# KiCad board keys.kicad_pcb (continued)
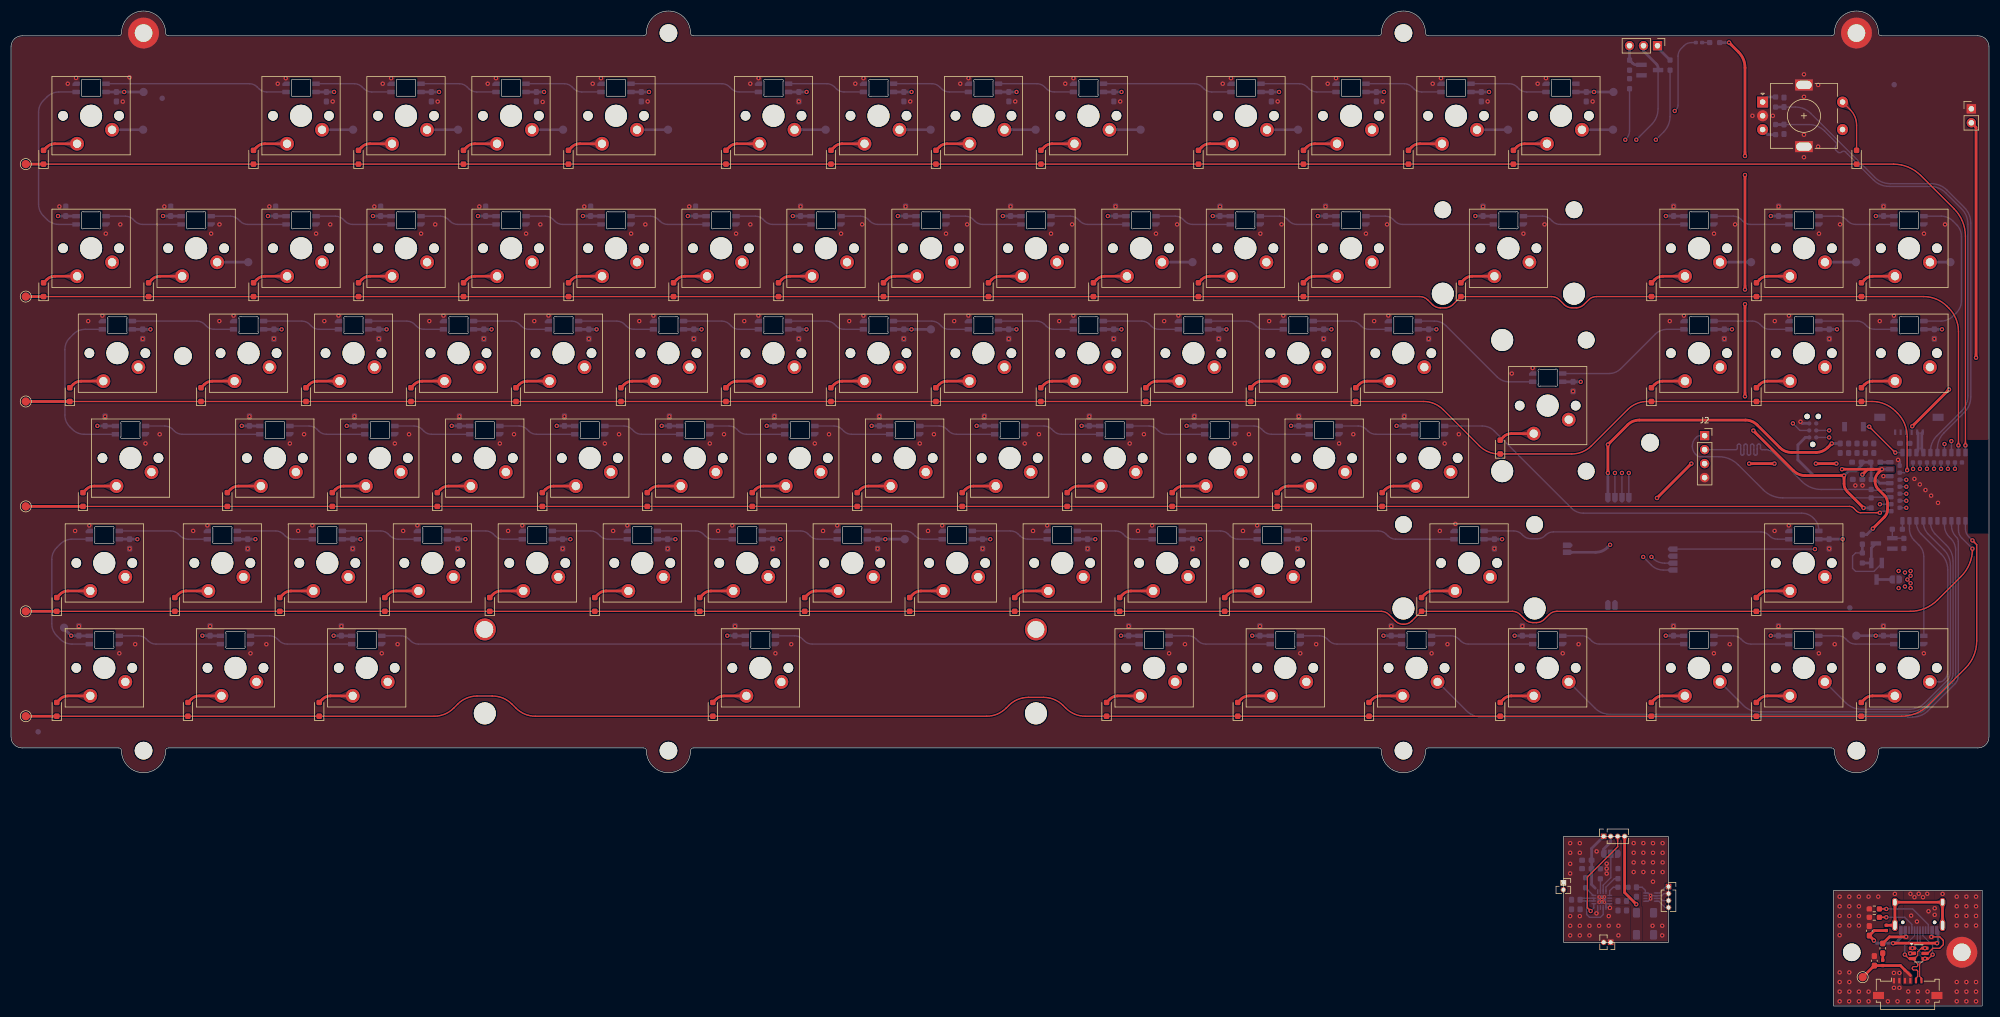
[diagram p0: board, top side]
## Nets (continued)
Net-(D71-A): D71.2 SW70.2
Net-(D72-A): D72.2 SW71.2
Net-(D73-A): D73.2 SW72.2
Net-(D74-A): D74.2 SW73.2
Net-(D75-A): D75.2 SW74.2
Net-(D76-A): D76.2 SW75.2
Net-(D77-A): D77.2 SW76.2
Net-(D78-A): D78.2 SW77.2
Net-(D79-A): D79.2 SW78.2
Net-(D80-A): D80.2 SW79.2
Net-(D81-A): D81.2 SW80.2
Net-(D82-A): D82.2 SW81.2
Net-(D83-A): D83.2 SW82.2
Net-(D84-A): D84.2 SW83.2
Net-(D85-A): D85.2 SW84.2
Net-(D86-A): D86.2 SW85.2
Net-(D87-A): D87.2 R20.1
Net-(D88-A): D88.2 SW86.S2
Net-(F1-Pad2): F1.2 L1.1
Net-(J1-CC1): J1.A5 R1.1
Net-(J1-CC2): J1.B5 R2.1
Net-(J1-SHIELD): J1.S1 L2.1
Net-(JP2-C): JP2.2 U3.15
Net-(LED1-DIN): LED1.3 LED2.2
Net-(LED2-DIN): LED2.3 LED3.2
Net-(LED3-DIN): LED3.3 LED4.2
Net-(LED4-DIN): LED4.3 LED5.2
Net-(LED5-DIN): LED5.3 LED6.2
Net-(LED6-DIN): LED6.3 LED7.2
Net-(LED7-DIN): LED7.3 LED8.2
Net-(LED8-DIN): LED8.3 LED9.2
Net-(LED10-DIN): LED10.3 LED11.2
Net-(LED10-DOUT): LED9.3 LED10.2
Net-(LED11-DIN): LED11.3 LED12.2
Net-(LED12-DIN): LED12.3 LED13.2
Net-(LED14-DIN): LED14.3 LED15.2
Net-(LED15-DIN): LED15.3 LED16.2
Net-(LED16-DIN): LED16.3 LED17.2
Net-(LED17-DIN): LED17.3 LED18.2
Net-(LED18-DIN): LED18.3 LED19.2
Net-(LED19-DIN): LED19.3 LED20.2
Net-(LED20-DIN): LED20.3 LED21.2
Net-(LED21-DIN): LED21.3 LED22.2
Net-(LED22-DIN): LED22.3 LED23.2
Net-(LED23-DIN): LED23.3 LED24.2
Net-(LED24-DIN): LED24.3 LED25.2
Net-(LED25-DIN): LED25.3 LED26.2
Net-(LED26-DIN): LED26.3 LED27.2
Net-(LED27-DIN): LED27.3 LED28.2
Net-(LED28-DIN): LED28.3 LED29.2
Net-(LED29-DIN): LED29.3 LED30.2
Net-(LED31-DIN): LED31.3 LED32.2
Net-(LED32-DIN): LED32.3 LED33.2
Net-(LED33-DIN): LED33.3 LED34.2
Net-(LED34-DIN): LED34.3 LED35.2
Net-(LED35-DIN): LED35.3 LED36.2
Net-(LED36-DIN): LED36.3 LED37.2
Net-(LED37-DIN): LED37.3 LED38.2
Net-(LED38-DIN): LED38.3 LED39.2
Net-(LED39-DIN): LED39.3 LED40.2
Net-(LED40-DIN): LED40.3 LED41.2
Net-(LED41-DIN): LED41.3 LED42.2
Net-(LED42-DIN): LED42.3 LED43.2
Net-(LED43-DIN): LED43.3 LED44.2
Net-(LED44-DIN): LED44.3 LED45.2
Net-(LED45-DIN): LED45.3 LED46.2
Net-(LED46-DIN): LED46.3 LED47.2
Net-(LED48-DIN): LED48.3 LED49.2
Net-(LED49-DIN): LED49.3 LED50.2
Net-(LED50-DIN): LED50.3 LED51.2
Net-(LED51-DIN): LED51.3 LED52.2
Net-(LED52-DIN): LED52.3 LED53.2
Net-(LED53-DIN): LED53.3 LED54.2
Net-(LED54-DIN): LED54.3 LED55.2
Net-(LED55-DIN): LED55.3 LED56.2
Net-(LED56-DIN): LED56.3 LED57.2
Net-(LED57-DIN): LED57.3 LED58.2
Net-(LED58-DIN): LED58.3 LED59.2
Net-(LED59-DIN): LED59.3 LED60.2
Net-(LED61-DIN): LED61.3 LED62.2
Net-(LED62-DIN): LED62.3 LED63.2
Net-(LED63-DIN): LED63.3 LED64.2
Net-(LED64-DIN): LED64.3 LED65.2
Net-(LED65-DIN): LED65.3 LED66.2
Net-(LED66-DIN): LED66.3 LED67.2
Net-(LED67-DIN): LED67.3 LED68.2
Net-(LED68-DIN): LED68.3 LED69.2
Net-(LED69-DIN): LED69.3 LED70.2
Net-(LED70-DIN): LED70.3 LED71.2
Net-(LED71-DIN): LED71.3 LED72.2
Net-(LED72-DIN): LED72.3 LED73.2
Net-(LED73-DIN): LED73.3 LED74.2
Net-(LED75-DIN): LED75.3 LED76.2
Net-(LED76-DIN): LED76.3 LED77.2
Net-(LED77-DIN): LED77.3 LED78.2
Net-(LED78-DIN): LED78.3 LED79.2
Net-(LED79-DIN): LED79.3 LED80.2
Net-(LED80-DIN): LED80.3 LED81.2
Net-(LED81-DIN): LED81.3 LED82.2
Net-(LED82-DIN): LED82.3 LED83.2
Net-(LED83-DIN): LED83.3 LED84.2
Net-(LED84-DIN): LED84.3 LED85.2
Net-(Q1-G): Q1.1 Q2.3 R11.2
Net-(Q1-S): F2.2 Q1.2 R11.1
Net-(Q2-G): Q2.1 R12.1 R13.2
Net-(Q3-G): Q3.1 R18.2 R19.1
Net-(Q3-S): Q3.2 R19.2 SW87.3
Net-(R14-Pad1): R14.1 SW86.A
Net-(R17-Pad1): R17.1 SW86.B
Net-(SW87A-A): R16.2 SW87.1
Net-(U3-ISET): R9.1 U3.16
Net-(U3-TS): R6.1 U3.1

Pads without a net: J1 A8 B8; J3 6; LED1 2; U3 7

## Via types
v1: diameter 0.8, hole 0.4, Top to Bottom, 561 vias
v2: diameter 0.6, hole 0.3, Top to Bottom, 7 vias

## Routing (per net, layer and track width the routed paths; a pad name or vN(x,y) marks a point on that pad's centre or on a via; arc(x,y) is an arc through that point)
+5V: length 203.5
  Top w0.5: v1(330.4,102.13) 329.65,101.39 arc(328.68,100.74) 327.53,100.51 323.09,100.51 arc(321.94,100.74) 320.97,101.39 316.85,105.51 arc(315.88,106.16) 314.73,106.38 295.47,106.38 arc(294.32,106.16) 293.35,105.51 v1(289.78,101.94) v1(289.78,96.78) ; v1(345,105.26) v1(351.68,111.94) ; J4.2 356.57,159.52 v1(356.57,117.71) ; TP1.1 338.11,7.34 C104.1 342.86,7.34 344.68,5.53
  In2.Cu w0.25: v1(292.93,157.28) 291.24,155.6 arc(290.16,153.98) 289.78,152.06 v1(289.78,101.94)
  In2.Cu w0.5: v1(356.57,117.71) 356.57,117.66 arc(356.42,116.9) 355.99,116.25 v1(351.68,111.94)
  Bottom w0.25: v1(292.93,157.28) 293.11,157.47 arc(293.55,158.12) 293.7,158.89 R18.1
  Bottom w0.5: 289.01,30.79 286.81,28.59 C90.1 C89.1 286.81,22.06 287.48,21.39 ; 289,30.78 289,30.79 ; C1.2 v1(330.4,102.13) ; v1(289.78,96.78) 289.78,92.06
GND: length 17.4
  Top w0.5: U5.2 v1(344.62,9.55)
  Bottom w0.25: v1(287.7,16.81) 287.92,17.03 U3.8 ; v2(297.52,19.46) 297.08,19.02 U2.1 ; C93.2 296,21.56 296.56,21 U2.4 297.09,20.52 v2(297.52,20.09) 297.59,20.02 U2.6 299.56,20.02 299.95,20.42 J7.2 ; 290.07,17.88 v1(290.15,17.81) 290.1,17.86 U3.4 289.41,18.57 v2(289.12,18.86) 289.42,18.57 U3.5 290.07,17.88
  Bottom w0.5: J3.5 325.04,105.77 v1(324.73,106.08) ; v1(339.78,96.21) 339.79,96.19 U6.21 ; v1(342.43,99.16) 342.73,98.86 U6.24
  vias: v1(8.77,145.16) v1(10.3,167.46) v1(11.62,86.26) v1(11.8,168.51) v1(12.32,68.96) v1(14,124.36) v1(14.2,87.26) v1(16.57,125.36) v1(17.07,107.06) v1(17.2,140.24) v1(19.65,64.03) v1(19.82,141.91) v1(20.27,164.21) v1(21.5,168.61) v1(21.52,83.03) v1(22.52,65.69) v1(23.9,121.13) v1(24.4,102.13) v1(26.97,103.81) v1(27.82,145.16) v1(33.05,86.26) v1(35.62,87.26) v1(36.12,68.96) v1(36.31,140.24) v1(37.83,141.91) v1(37.8,124.36) v1(40.38,125.36) v1(42.95,83.03) v1(43.27,107.06) v1(43.45,64.03) v1(46.33,65.69) v1(46.88,145.16) v1(47.7,121.13) v1(48.4,167.46) v1(49.85,168.46) v1(50.6,102.13) v1(52.1,86.26) v1(53.17,103.81) v1(54.67,87.26) v1(55.36,140.24) v1(56.85,124.36) v1(57.92,141.91) v1(58.38,164.24) v1(59.42,125.36) v1(59.94,68.96) v1(62,83.03) v1(62.32,107.06) v1(65.92,145.16) v1(66.75,121.13) v1(67.27,64.03) v1(67.45,167.46) v1(68.97,168.46) v1(69.65,102.13) v1(70.15,65.69) v1(71.16,86.26) v1(72.22,103.81) v1(73.73,87.26) v1(74.41,140.24) v1(75.9,124.36) v1(76.97,141.91) v1(77.42,164.21) v1(78.47,125.36) v1(81.05,83.03) v1(81.37,107.06) v1(84.97,145.16) v1(85.8,121.13) v1(86.5,167.46) v1(88,168.46) v1(88.7,102.13) v1(90.2,86.26) v1(91.27,103.81) v1(92.77,87.26) v1(93.46,140.24) v1(94.95,124.36) v1(96.05,141.91) v1(96.48,164.16) v1(97.53,125.36) v1(100.1,83.03) v1(100.42,107.06) v1(104.02,145.16) v1(104.86,121.13) v1(105.55,167.46) v1(107.05,168.46) v1(107.76,102.13) v1(109.26,86.26) v1(110.33,103.81) v1(111.83,87.26) v1(112.52,140.24) v1(114,124.36) v1(115.1,141.91) v1(115.52,164.24) v1(116.58,125.36) v1(119.15,83.03) v1(119.47,107.06) v1(123.08,145.16) v1(123.9,121.13) v1(126.8,102.13) v1(128.31,86.26) v1(129.38,103.81) v1(130.88,87.26) v1(131.38,68.96) v1(131.57,140.24) v1(133.05,124.36) v1(134.15,167.47) v1(134.15,141.91) v1(135.64,168.46) v1(135.62,125.36) v1(138.2,83.03) v1(138.52,107.06) v1(138.7,64.03) v1(141.58,65.69) v1(142.95,164.24) v1(142.95,121.13) v1(143.27,145.16) v1(145.85,102.13) v1(147.35,86.26) v1(148.43,103.81) v1(149.93,87.26) v1(150.62,140.24) v1(152.1,124.36) v1(153.2,167.47) v1(154.45,141.91) v1(154.69,168.46) v1(154.68,125.36) v1(157.25,83.03) v1(157.57,107.06) v1(162,121.13) v1(162.32,145.16) v1(163.18,164.24) v1(164.9,102.13) v1(166.4,86.26) v1(167.48,103.81) v1(168.98,87.26) v1(169.67,140.24) v1(171.15,124.36) v1(172.25,167.47) v1(173.5,141.91) v1(173.74,168.46) v1(173.73,125.36) v1(176.3,83.03) v1(176.62,107.06) v1(181.05,121.13) v1(181.38,145.16) v1(182.23,164.24) v1(183.95,102.13) v1(185.45,86.26) v1(186.52,103.81) v1(188.02,87.26) v1(188.71,140.24) v1(190.2,124.36) v1(191.3,167.47) v1(192.55,141.91) v1(192.77,125.36) v1(192.79,168.46) v1(195.36,83.03) v1(195.67,107.06) v1(200.1,121.13) v1(200.43,145.16) v1(201.27,164.24) v1(202.82,68.96) v1(203,102.13) v1(204.5,86.26) v1(205.57,103.81) v1(207.07,87.26) v1(207.76,140.24) v1(209.25,124.36) v1(210.15,64.03) v1(211.6,141.91) v1(211.83,125.36) v1(213.02,65.69) v1(214.4,83.03) v1(214.73,107.06) v1(219.15,121.13) v1(219.38,145.16) v1(219.88,167.46) v1(221.38,168.46) v1(222.06,102.13) v1(223.56,86.26) v1(224.63,103.81) v1(226.13,87.26) v1(226.62,68.96) v1(226.71,140.24) v1(228.3,124.36) v1(229.85,164.24) v1(230.55,141.91) v1(230.88,125.36) v1(233.45,83.03) v1(233.68,107.06) v1(233.95,64.03) v1(236.83,65.69) v1(238.2,121.13) v1(238.54,145.16) v1(238.93,167.46) v1(240.43,168.46) v1(241,102.13) v1(243.57,103.81) v1(245.87,140.24) v1(247.35,124.36) v1(248.9,164.24) v1(249.7,141.91) v1(249.93,125.36) v1(250.45,68.96) v1(252.82,107.06) v1(257.25,121.13) v1(257.78,64.03) v1(257.98,167.46) v1(259.28,86.26) v1(259.48,168.46) v1(260.15,102.13) v1(260.66,65.69) v1(262.1,87.53) v1(262.73,103.81) v1(267.12,145.16) v1(267.95,164.24) v1(269.18,83.03) v1(272.32,114.83) v1(274.25,68.96) v1(274.44,140.24) v1(276.12,115.83) v1(277.03,167.46) v1(278.28,141.91) v1(278.53,168.46) v1(281.57,64.03) v1(282.93,29.57) v1(282.93,27.82) v1(282.93,25.82) v1(282.93,24.07) v1(282.93,16.32) v1(282.93,14.57) v1(282.93,12.82) v1(283.45,111.61) v1(284.45,65.69) v1(284.68,29.57) v1(284.68,27.82) v1(284.68,16.32) v1(284.68,14.57) v1(284.68,12.82) v1(286.43,14.57) v1(286.43,12.82) v1(287,164.24) v1(287.73,28.07) v1(288.18,14.57) v1(289.55,25.84) v1(289.55,24.94) v1(289.55,24.04) v1(289.93,16.32) v1(289.93,14.57) v1(291.68,14.57) v1(291.68,12.82) v1(294.45,29.57) v1(294.45,27.82) v1(294.45,26.07) v1(294.45,24.32) v1(296.2,29.57) v1(296.2,27.82) v1(296.2,26.07) v1(296.2,24.32) v1(297.95,29.57) v1(297.95,27.82) v1(297.95,26.07) v1(297.95,24.32) v1(297.95,22.57) v1(297.88,14.57) v1(299.63,14.57) v1(299.63,12.82) v1(299.7,29.57) v1(299.7,27.82) v1(299.7,26.07) v1(299.7,24.32) v1(301,124.36) v1(301.69,145.16) v1(301.68,68.96) v1(303.57,125.36) v1(309.03,140.24) v1(309,64.03) v1(310.9,121.13) v1(311.88,65.69) v1(312.85,141.91) v1(316,161.63) v1(319.7,161.63) v1(320.05,124.36) v1(320.03,86.26) v1(320.75,145.16) v1(320.73,68.96) v1(322.62,125.36) v1(322.6,87.26) v1(325.35,169.16) v1(325.35,165.08) v1(325.35,158.19) v1(325.35,154.11) v1(327.93,167.24) v1(327.93,156.03) v1(328.07,140.24) v1(328.05,64.03) v1(329.94,121.13) v1(329.93,83.03) v1(330.93,65.68) v1(331.82,19.85) v1(331.82,18.1) v1(331.82,16.35) v1(331.82,14.6) v1(331.82,12.85) v1(331.82,6.1) v1(331.82,4.35) v1(331.82,2.6) v1(331.82,0.85) v1(331.9,141.91) v1(333.57,19.85) v1(333.57,18.1) v1(333.57,16.35) v1(333.57,14.6) v1(333.57,6.1) v1(333.57,4.35) v1(333.57,2.6) v1(333.55,0.85) v1(334.68,94.51) v1(335.32,19.85) v1(335.32,18.1) v1(335.32,16.35) v1(335.32,14.6) v1(335.32,2.6) v1(335.32,0.85) v1(335.98,94.51) v1(337.07,19.85) v1(337.07,2.6) v1(337.07,0.85) v1(338.82,19.85) v1(339.1,124.36) v1(339.77,68.96) v1(339.8,145.16) v1(340.57,0.85) v1(341.68,125.36) v1(341.68,6) v1(341.68,3.3) v1(341.85,20.35) v1(342.32,0.85) v1(342.68,6) v1(342.68,3.3) v1(344.28,2.62) v1(344.28,0.85) v1(344.68,20.38) v1(344.8,16.4) v1(345.4,95.71) v1(345.4,19.75) v1(345.85,15.32) v1(346.03,2.62) v1(346.03,0.85) v1(346.18,20.38) v1(346.38,94.71) v1(346.95,19.75) v1(347.12,140.24) v1(347.1,64.03) v1(347.4,93.69) v1(347.73,20.38) v1(347.78,2.62) v1(347.78,0.85) v1(347.95,17.2) v1(348.43,92.66) v1(349,121.13) v1(349.07,17.75) v1(349.07,16.55) v1(349.68,91.36) v1(350.5,20.35) v1(350.95,141.91) v1(353.07,19.85) v1(353.07,18.1) v1(353.07,16.35) v1(353.05,14.6) v1(353.07,4.35) v1(353.07,2.6) v1(353.07,0.85) v1(354.82,19.85) v1(354.82,18.1) v1(354.82,16.35) v1(354.82,14.6) v1(354.82,4.35) v1(354.82,2.6) v1(354.82,0.85) v1(356.57,19.85) v1(356.57,18.1) v1(356.57,16.35) v1(356.57,14.6) v1(356.57,4.35) v1(356.57,2.6) v1(356.57,0.85) v2(288.2,19.79) v2(288.2,18.86) v2(288.67,19.31) v2(289.12,19.79)
VBUS: length 14.9
  Top w0.25: v1(348.45,12.55) 350,12.55 350.64,11.91 350.64,11.13 349.99,10.48 348.74,10.48 347.81,9.55 U5.5 347.73,9.55
  Top w0.5: F1.1 340.85,12.55 v1(343.9,12.55)
  Bottom w0.5: v1(343.9,12.55) 343.73,12.72 J1.A4 ; J1.A9 348.62,12.72 v1(348.45,12.55)
VDD: length 129.8
  Top w0.5: v1(336.18,90.44) 333.21,93.4 arc(332.78,94.05) 332.62,94.81 v1(332.62,96.31) 325.57,96.31 arc(324.42,96.54) 323.45,97.19 316.18,104.46 v1(316.18,104.48) ; v1(314.65,130.08) v1(314.65,150.88) ; v1(311.75,174.94) 313.48,173.21 arc(314.35,171.91) 314.65,170.38 v1(314.65,154.33) ; v1(314.65,110.69) v1(314.65,127.44)
  In2.Cu w0.5: v1(314.65,127.44) v1(314.65,130.08) ; v1(314.65,150.88) v1(314.65,154.33) ; v1(316.18,104.48) 315.82,104.84 arc(314.95,106.14) 314.65,107.67 v1(314.65,110.69)
  Bottom w0.5: J3.1 325.6,103.23 324.25,101.88 324.25,99.16 327.1,96.31 v1(332.62,96.31) 333.48,97.16 334.78,97.16 335.81,98.2 C96.1 L3.2 337.55,98.63 R5.1 338.43,95.61 339.11,94.92 U6.19 ; v1(311.75,174.94) R20.2 ; R4.1 v1(336.18,90.44)
+BATT: length 93.7
  Top w0.5: v1(294.93,18.47) 292.81,20.58 J11.4
  In2.Cu w0.25: v1(293.57,96.78) 293.57,150.31 arc(293.96,152.23) 295.04,153.85 v1(298.48,157.28)
  Bottom w0.25: 291.59,19.07 C94.1 ; v1(298.48,157.28) 299.88,158.69 arc(300.75,159.99) 301.05,161.52 R16.1 ; J10.4 v1(293.57,96.78)
  Bottom w0.5: C94.1 291.51,19.15
+VSW: length 97.1
  Top w0.5: v1(320,98.48) v1(315.4,98.48) ; 338,97.46 v1(332.25,97.46) ; 338,97.46 336.93,97.46 v1(335.95,96.48) ; 338,97.46 v1(339.5,97.46) 338.84,96.8 arc(338.4,96.15) 338.25,95.38 338.25,95.24 arc(338.4,94.47) 338.84,93.82 339.94,92.72 arc(340.37,92.07) 340.53,91.31 340.53,90.19 arc(340.37,89.42) 339.94,88.77 v1(337.85,86.69) ; v1(331.23,98.48) v1(327.5,98.48) ; v1(298.68,92.23) v1(304.92,98.48)
  In1.Cu w0.5: v1(290.18,83.73) v1(298.68,92.23) ; v1(315.4,98.48) J2.3 v1(304.92,98.48) ; v1(320,98.48) v1(327.5,98.48) ; v1(339.5,97.46) 339.73,97.46 ; v1(331.23,98.48) v1(332.25,97.46)
  Bottom w0.25: U3.6 288.92,16.6 288.4,16.09 286.45,16.09 285.92,16.61 285.92,18.99 ; 285.01,19.57 C92.1 284.94,19.07 U3.10 U3.11 285.01,19.57
  Bottom w0.5: v1(290.18,83.73) 289.7,83.26 arc(288.73,82.61) 287.58,82.38 J12.2 ; v1(337.85,86.69) 336.75,85.58 F2.1 ; U6.23 339.5,97.47 v1(339.5,97.46) ; C98.1 335.95,95.62 v1(335.95,96.48)
/ILIM: length 2.1
  Bottom w0.25: R8.1 287.12,20.07 U3.12
/TMR: length 2.3
  Bottom w0.25: R7.1 288.42,23.08 U3.14
ALERT: length 45.2
  In1.Cu w0.25: v1(327.35,82.96) 332.28,87.89 arc(333.58,88.76) 335.11,89.06 335.42,89.06 arc(336.95,89.36) 338.25,90.23 v1(339.12,91.11)
  Bottom w0.25: U6.13 339.13,91.11 v1(339.12,91.11) ; U2.5 299.18,20.52 300.35,21.69 J7.1 ; v1(327.35,82.96) J14.1
COL0: length 496.2
  In2.Cu w0.25: v1(352.75,97.53) 352.94,97.35 arc(354.02,95.73) 354.4,93.81 354.4,67.06 arc(354.55,66.3) 354.99,65.65 355.86,64.78 arc(356.22,64.16) 356.35,63.46 356.35,57.46 arc(356.2,56.7) 355.76,56.05 349.36,49.65 arc(348.71,49.21) 347.95,49.06 194.56,49.06 arc(194.18,48.98) 193.86,48.77 193.69,48.6 arc(193.37,48.39) 192.99,48.31 124.75,48.31 arc(123.99,48.46) 123.34,48.9 122.96,49.27 arc(122.31,49.71) 121.55,49.86 31.79,49.86 arc(29.88,50.24) 28.26,51.32 SW75.1 SW61.1 20.73,90.12 arc(21.12,92.04) 22.2,93.66 SW48.1 25.48,112.38 arc(25.26,113.53) 24.61,114.5 SW31.1 23.11,128.2 arc(22.73,130.12) 21.65,131.74 SW14.1 18.33,135.05 SW1.1
  Bottom w0.25: v1(352.75,97.53) U6.40
  Bottom w0.5: TP2.1 18.35,159.11 SW1.1
COL1: length 453.4
  In2.Cu w0.25: SW15.1 45.45,126.99 arc(46.53,125.37) 46.91,123.46 SW32.1 50.22,112.69 arc(51.3,111.07) 51.69,109.15 SW49.1 43.62,88.88 arc(42.54,87.26) 42.16,85.35 SW62.1 43.37,76.69 arc(44.24,75.39) 44.54,73.86 SW76.1 51.59,51.8 arc(53.21,50.72) 55.12,50.34 121.75,50.34 arc(122.51,50.18) 123.16,49.75 123.54,49.37 arc(124.19,48.94) 124.95,48.78 192.79,48.78 arc(193.17,48.86) 193.49,49.08 193.66,49.24 arc(193.98,49.46) 194.36,49.53 347.75,49.53 arc(348.51,49.69) 349.16,50.12 355.29,56.25 arc(355.72,56.9) 355.88,57.66 355.88,63.26 arc(355.75,63.96) 355.38,64.58 354.51,65.45 arc(354.08,66.1) 353.93,66.86 353.93,93.01 arc(353.54,94.93) 352.46,96.55 v1(351.48,97.53)
  Bottom w0.25: U6.38 351.48,98.68 v1(351.48,97.53)
  Bottom w0.5: SW15.1 37.41,135.06 TP3.1
COL2: length 454.9
  In2.Cu w0.25: v1(350.23,97.53) 351.99,95.77 arc(353.07,94.15) 353.45,92.24 353.45,66.66 arc(353.6,65.9) 354.04,65.25 354.81,64.47 arc(355.25,63.82) 355.4,63.06 355.4,57.86 arc(355.25,57.1) 354.81,56.45 348.96,50.6 arc(348.31,50.16) 347.55,50.01 194.16,50.01 arc(193.78,49.93) 193.46,49.72 193.29,49.55 arc(192.97,49.34) 192.59,49.26 125.15,49.26 arc(124.39,49.41) 123.74,49.85 116.2,57.38 arc(114.58,58.46) 112.67,58.84 SW77.1 68.36,68.67 arc(67.98,70.59) 66.9,72.21 SW63.1 61.21,85.35 arc(61.59,87.26) 62.67,88.88 SW50.1 70.73,109.15 arc(70.35,111.06) 69.27,112.68 SW33.1 65.96,123.46 arc(65.58,125.37) 64.5,126.99 SW16.1 56.44,135.06 SW2.1
  Bottom w0.25: v1(350.23,97.53) 350.23,98.67 U6.36
  Bottom w0.5: SW2.1 56.45,159.11 TP4.1
COL3: length 433.2
  In2.Cu w0.25: v1(348.95,97.53) 351.51,94.97 arc(352.59,93.35) 352.98,91.44 352.98,66.46 arc(353.13,65.7) 353.56,65.05 354.34,64.27 arc(354.77,63.62) 354.93,62.86 354.93,58.06 arc(354.77,57.3) 354.34,56.65 348.76,51.07 arc(348.11,50.64) 347.35,50.48 193.96,50.48 arc(193.58,50.41) 193.26,50.19 193.09,50.03 arc(192.77,49.81) 192.39,49.73 125.35,49.73 arc(124.59,49.89) 123.94,50.32 116.19,58.07 arc(114.57,59.15) 112.65,59.53 91.92,59.53 arc(90.01,59.92) 88.39,61 81.73,67.66 arc(80.65,69.28) 80.27,71.19 SW64.1 80.27,85.35 arc(80.65,87.27) 81.73,88.89 SW51.1 89.78,109.15 arc(89.4,111.06) 88.32,112.68 85.01,115.99 85.01,123.46 arc(84.63,125.37) 83.55,126.99 SW17.1 75.48,135.06 SW3.1
  Bottom w0.25: v1(348.95,97.53) 348.95,98.67 U6.34
  Bottom w0.5: TP5.1 75.5,159.11 SW3.1
COL4: length 410.1
  In2.Cu w0.25: v1(347.68,97.53) 351.04,94.17 arc(352.12,92.55) 352.5,90.64 352.5,66.26 arc(352.65,65.5) 353.09,64.85 353.86,64.07 arc(354.3,63.42) 354.45,62.66 354.45,58.26 arc(354.3,57.5) 353.86,56.85 348.56,51.55 arc(347.91,51.11) 347.15,50.96 193.76,50.96 arc(193.38,50.88) 193.06,50.67 192.89,50.5 arc(192.57,50.29) 192.19,50.21 125.58,50.21 arc(124.81,50.36) 124.16,50.8 100.77,74.19 arc(99.69,75.81) 99.31,77.72 SW65.1 99.31,85.34 arc(99.69,87.26) 100.77,88.88 SW52.1 108.84,109.15 arc(108.46,111.06) 107.38,112.68 SW35.1 104.06,123.46 arc(103.68,125.37) 102.6,126.99 SW18.1 94.54,135.06 SW4.1
  Bottom w0.25: U6.32 347.68,98.68 v1(347.68,97.53)
  Bottom w0.5: TP6.1 94.55,159.11 SW4.1
COL5: length 395.8
  In2.Cu w0.25: v1(346.4,97.53) 350.56,93.37 arc(351.64,91.75) 352.03,89.84 352.03,66.06 arc(352.18,65.3) 352.61,64.65 353.39,63.87 arc(353.82,63.22) 353.98,62.46 353.98,58.46 arc(353.82,57.7) 353.39,57.05 348.36,52.02 arc(347.71,51.59) 346.95,51.44 194.42,51.44 arc(193.27,51.66) 192.3,52.31 189.38,55.23 arc(188.41,55.88) 187.26,56.11 184.09,56.11 arc(182.94,55.88) 181.97,55.23 181.7,54.96 arc(180.73,54.31) 179.58,54.09 133.65,54.09 arc(131.73,54.47) 130.11,55.55 119.83,65.83 arc(118.75,67.45) 118.36,69.37 SW66.1 118.36,85.35 arc(118.75,87.27) 119.83,88.89 SW53.1 127.89,109.15 arc(127.5,111.07) 126.42,112.69 SW36.1 123.11,123.46 arc(122.73,125.38) 121.65,127 SW19.1 113.58,135.06 SW5.1
  Bottom w0.25: v1(346.4,97.53) 346.4,98.69
  Bottom w0.5: TP7.1 113.6,159.11 SW5.1
COL6: length 382
  In2.Cu w0.25: SW6.1 135.58,152.51 arc(133.42,149.26) 132.65,145.44 SW20.1 140.7,127 arc(141.78,125.38) 142.16,123.47 SW37.1 145.48,112.68 arc(146.56,111.06) 146.94,109.14 SW54.1 138.88,88.88 arc(137.8,87.26) 137.42,85.35 SW67.1 138.62,76.69 arc(139.49,75.39) 139.79,73.86 SW78.1 185.2,58.84 arc(186.35,58.62) 187.32,57.97 192.5,52.79 arc(193.47,52.14) 194.62,51.91 346.75,51.91 arc(347.51,52.06) 348.16,52.5 352.91,57.25 arc(353.35,57.9) 353.5,58.66 353.5,62.26 arc(353.35,63.02) 352.91,63.67 352.14,64.45 arc(351.7,65.1) 351.55,65.86 351.55,89.04 arc(351.17,90.95) 350.09,92.57 v1(345.15,97.51)
  Bottom w0.25: v1(345.15,97.51) 345.15,98.66 U6.28
  Bottom w0.5: TP8.1 142.19,159.11 SW6.1
COL7: length 351.9
  In2.Cu w0.25: v1(343.93,95.53) 349.61,89.85 arc(350.69,88.23) 351.07,86.31 351.07,65.66 arc(351.23,64.9) 351.66,64.25 352.44,63.47 arc(352.87,62.82) 353.03,62.06 353.03,58.86 arc(352.87,58.1) 352.44,57.45 347.96,52.97 arc(347.31,52.54) 346.55,52.38 196.17,52.38 arc(195.02,52.61) 194.05,53.26 188.2,59.11 arc(187.23,59.76) 186.08,59.98 173.75,59.98 arc(171.83,60.37) 170.21,61.45 157.92,73.74 arc(156.84,75.36) 156.46,77.27 SW68.1 156.46,85.35 arc(156.84,87.26) 157.92,88.88 SW55.1 165.99,109.15 arc(165.6,111.07) 164.52,112.69 SW38.1 161.21,123.46 arc(160.83,125.37) 159.75,126.99 SW21.1 151.7,145.43 arc(152.46,149.26) 154.63,152.5 SW7.1
  Bottom w0.25: U6.20 342.75,95.53 v1(343.93,95.53)
  Bottom w0.5: TP9.1 161.24,159.11 SW7.1
COL8: length 332.2
  In2.Cu w0.25: v1(343.93,94.28) 349.14,89.07 arc(350.22,87.45) 350.6,85.54 350.6,65.46 arc(350.75,64.7) 351.19,64.05 351.96,63.27 arc(352.4,62.62) 352.55,61.86 352.55,59.06 arc(352.4,58.3) 351.96,57.65 347.76,53.45 arc(347.11,53.01) 346.35,52.86 196.54,52.86 arc(195.39,53.09) 194.42,53.74 176.97,71.19 arc(175.89,72.81) 175.51,74.72 SW69.1 175.51,85.35 arc(175.89,87.26) 176.97,88.88 SW56.1 185.04,109.15 arc(184.65,111.06) 183.57,112.68 SW39.1 180.26,123.46 arc(179.88,125.38) 178.8,127 SW22.1 170.75,145.43 arc(171.51,149.26) 173.68,152.5 SW8.1
  Bottom w0.25: v1(343.93,94.28) U6.18
  Bottom w0.5: SW8.1 180.29,159.11 TP10.1
COL9: length 317.1
  In2.Cu w0.25: SW9.1 192.73,152.5 arc(190.56,149.26) 189.8,145.43 SW23.1 197.85,127 arc(198.93,125.38) 199.31,123.46 SW40.1 202.62,112.68 arc(203.7,111.06) 204.08,109.15 SW57.1 196.03,88.89 arc(194.95,87.27) 194.56,85.35 SW70.1 194.56,63.59 arc(194.95,61.68) 196.03,60.06 201.29,54.8 arc(202.91,53.72) 204.82,53.34 346.15,53.34 arc(346.91,53.49) 347.56,53.92 351.49,57.85 arc(351.92,58.5) 352.07,59.26 352.07,61.66 arc(351.92,62.42) 351.49,63.07 350.71,63.85 arc(350.28,64.5) 350.12,65.26 350.12,84.74 arc(349.74,86.65) 348.66,88.27 v1(343.93,93.01)
  Bottom w0.25: U6.16 342.73,93.01 v1(343.93,93.01)
  Bottom w0.5: SW9.1 199.33,159.11 TP11.1
COL10: length 272.9
  In2.Cu w0.25: SW24.1 216.9,126.99 arc(217.98,125.37) 218.37,123.46 SW41.1 221.68,112.68 arc(222.76,111.06) 223.14,109.15 SW58.1 215.07,88.88 arc(213.99,87.26) 213.61,85.34 SW71.1 212.41,76.69 arc(211.54,75.39) 211.24,73.86 SW79.1 214.81,55.27 arc(216.43,54.19) 218.34,53.81 345.95,53.81 arc(346.71,53.96) 347.36,54.4 351.01,58.05 arc(351.45,58.7) 351.6,59.46 351.6,61.46 arc(351.45,62.22) 351.01,62.87 350.24,63.65 arc(349.8,64.3) 349.65,65.06 349.65,83.94 arc(349.27,85.85) 348.19,87.47 v1(343.93,91.73)
  Bottom w0.25: v1(343.93,91.73) 342.74,91.73 U6.14
  Bottom w0.5: SW24.1 208.87,135.06 TP12.1
COL11: length 270.8
  In2.Cu w0.25: v1(343.93,90.46) 347.71,86.67 arc(348.79,85.05) 349.18,83.14 349.18,64.86 arc(349.33,64.1) 349.76,63.45 350.54,62.67 arc(350.97,62.02) 351.12,61.26 351.12,59.66 arc(350.97,58.9) 350.54,58.25 347.16,54.87 arc(346.51,54.44) 345.75,54.28 241.67,54.28 arc(239.76,54.67) 238.14,55.75 SW80.1 235.04,73.86 arc(234.74,75.39) 233.87,76.69 SW72.1 232.67,85.35 arc(233.05,87.26) 234.13,88.88 242.1,96.85 242.1,109.23 arc(241.72,111.15) 240.64,112.77 SW42.1 237.41,123.46 arc(237.03,125.38) 235.95,127 227.8,135.14 227.8,158.99 SW10.1
  Bottom w0.25: U6.12 342.74,90.46 v1(343.93,90.46)
  Bottom w0.5: SW10.1 227.93,159.11 TP13.1
COL12: length 259.9
  In2.Cu w0.25: SW81.1 258.87,74.79 arc(259.17,76.32) 260.04,77.62 260.06,77.65 arc(260.93,78.95) 261.24,80.48 SW60.1 261.24,109.15 arc(260.85,111.06) 259.77,112.68 SW43.1 256.46,123.46 arc(256.08,125.38) 255,127 SW26.1 246.95,159.08 SW11.1 SW12.1
  Bottom w0.25: U6.3 352.12,87.26 arc(352.31,86.19) 352.88,85.26 353.06,85.08 arc(353.27,84.76) 353.35,84.37 353.35,59.91 arc(353.2,59.15) 352.76,58.5 347.9,53.63 arc(346.6,52.76) 345.07,52.46 266.91,52.46 arc(265.38,52.76) 264.08,53.63 SW81.1
  Bottom w0.5: SW12.1 266.03,159.11 TP14.1
COL13: length 231.7
  In2.Cu w0.25: SW82.1 282.67,69.65 arc(282.28,71.56) 281.2,73.18 277.95,76.43 arc(276.33,77.51) 274.42,77.89 SW73.1 268.38,84.72 arc(268.92,87.4) 270.44,89.67 280.61,99.84 arc(282.13,102.12) 282.66,104.79 SW44.1 282.66,119.33 arc(282.28,121.24) 281.2,122.86 276.99,127.07 arc(275.91,128.69) 275.53,130.6 SW27.1 275.53,145.42 arc(276.29,149.25) 278.46,152.49 SW13.1
  Bottom w0.25: U6.4 350.85,87.28 arc(351.07,86.13) 351.72,85.16 352,84.89 arc(352.65,83.92) 352.88,82.77 352.88,60.11 arc(352.72,59.35) 352.29,58.7 347.7,54.11 arc(346.4,53.24) 344.87,52.94 290.23,52.94 arc(288.7,53.24) 287.4,54.11 SW82.1
  Bottom w0.5: TP15.1 285.07,159.11 SW13.1
COL14: length 158.5
  In2.Cu w0.25: SW83.1 310.09,115.98 SW45.1 310.11,116 SW28.1
  Bottom w0.25: SW83.1 314.35,54.58 arc(315.65,53.71) 317.18,53.41 344.67,53.41 arc(346.2,53.71) 347.5,54.58 351.81,58.9 arc(352.25,59.55) 352.4,60.31 352.4,80.8 arc(352.1,82.33) 351.23,83.63 349.18,85.68 arc(348.53,86.65) 348.31,87.8 U6.6
  Bottom w0.5: SW28.1 310.12,135.06 TP16.1
COL15: length 138.8
  In2.Cu w0.25: SW84.1 329.14,77.89 SW74.1 329.13,115.97 SW46.1 329.16,116 SW29.1
  Bottom w0.25: SW84.1 332.93,55.06 arc(334.23,54.19) 335.76,53.88 344.47,53.88 arc(346,54.19) 347.3,55.06 351.34,59.1 arc(351.77,59.75) 351.93,60.51 351.93,80 arc(351.62,81.53) 350.75,82.83 347.91,85.67 arc(347.26,86.64) 347.04,87.79 U6.7
  Bottom w0.5: SW29.1 329.18,135.06 TP17.1